# Altium PCB 电解模块主控板SC_V1.1_ZM_20211015.PcbDoc (part 1 of 4)
Units mm, origin at the board's own origin, x right, y up, seen from the top; angles counter-clockwise.
Board outline 150.25 x 100.26 mm, 2 copper layers (Top Layer, Bottom Layer); 223 components, 168 nets, 679 pads, 1966 vias.
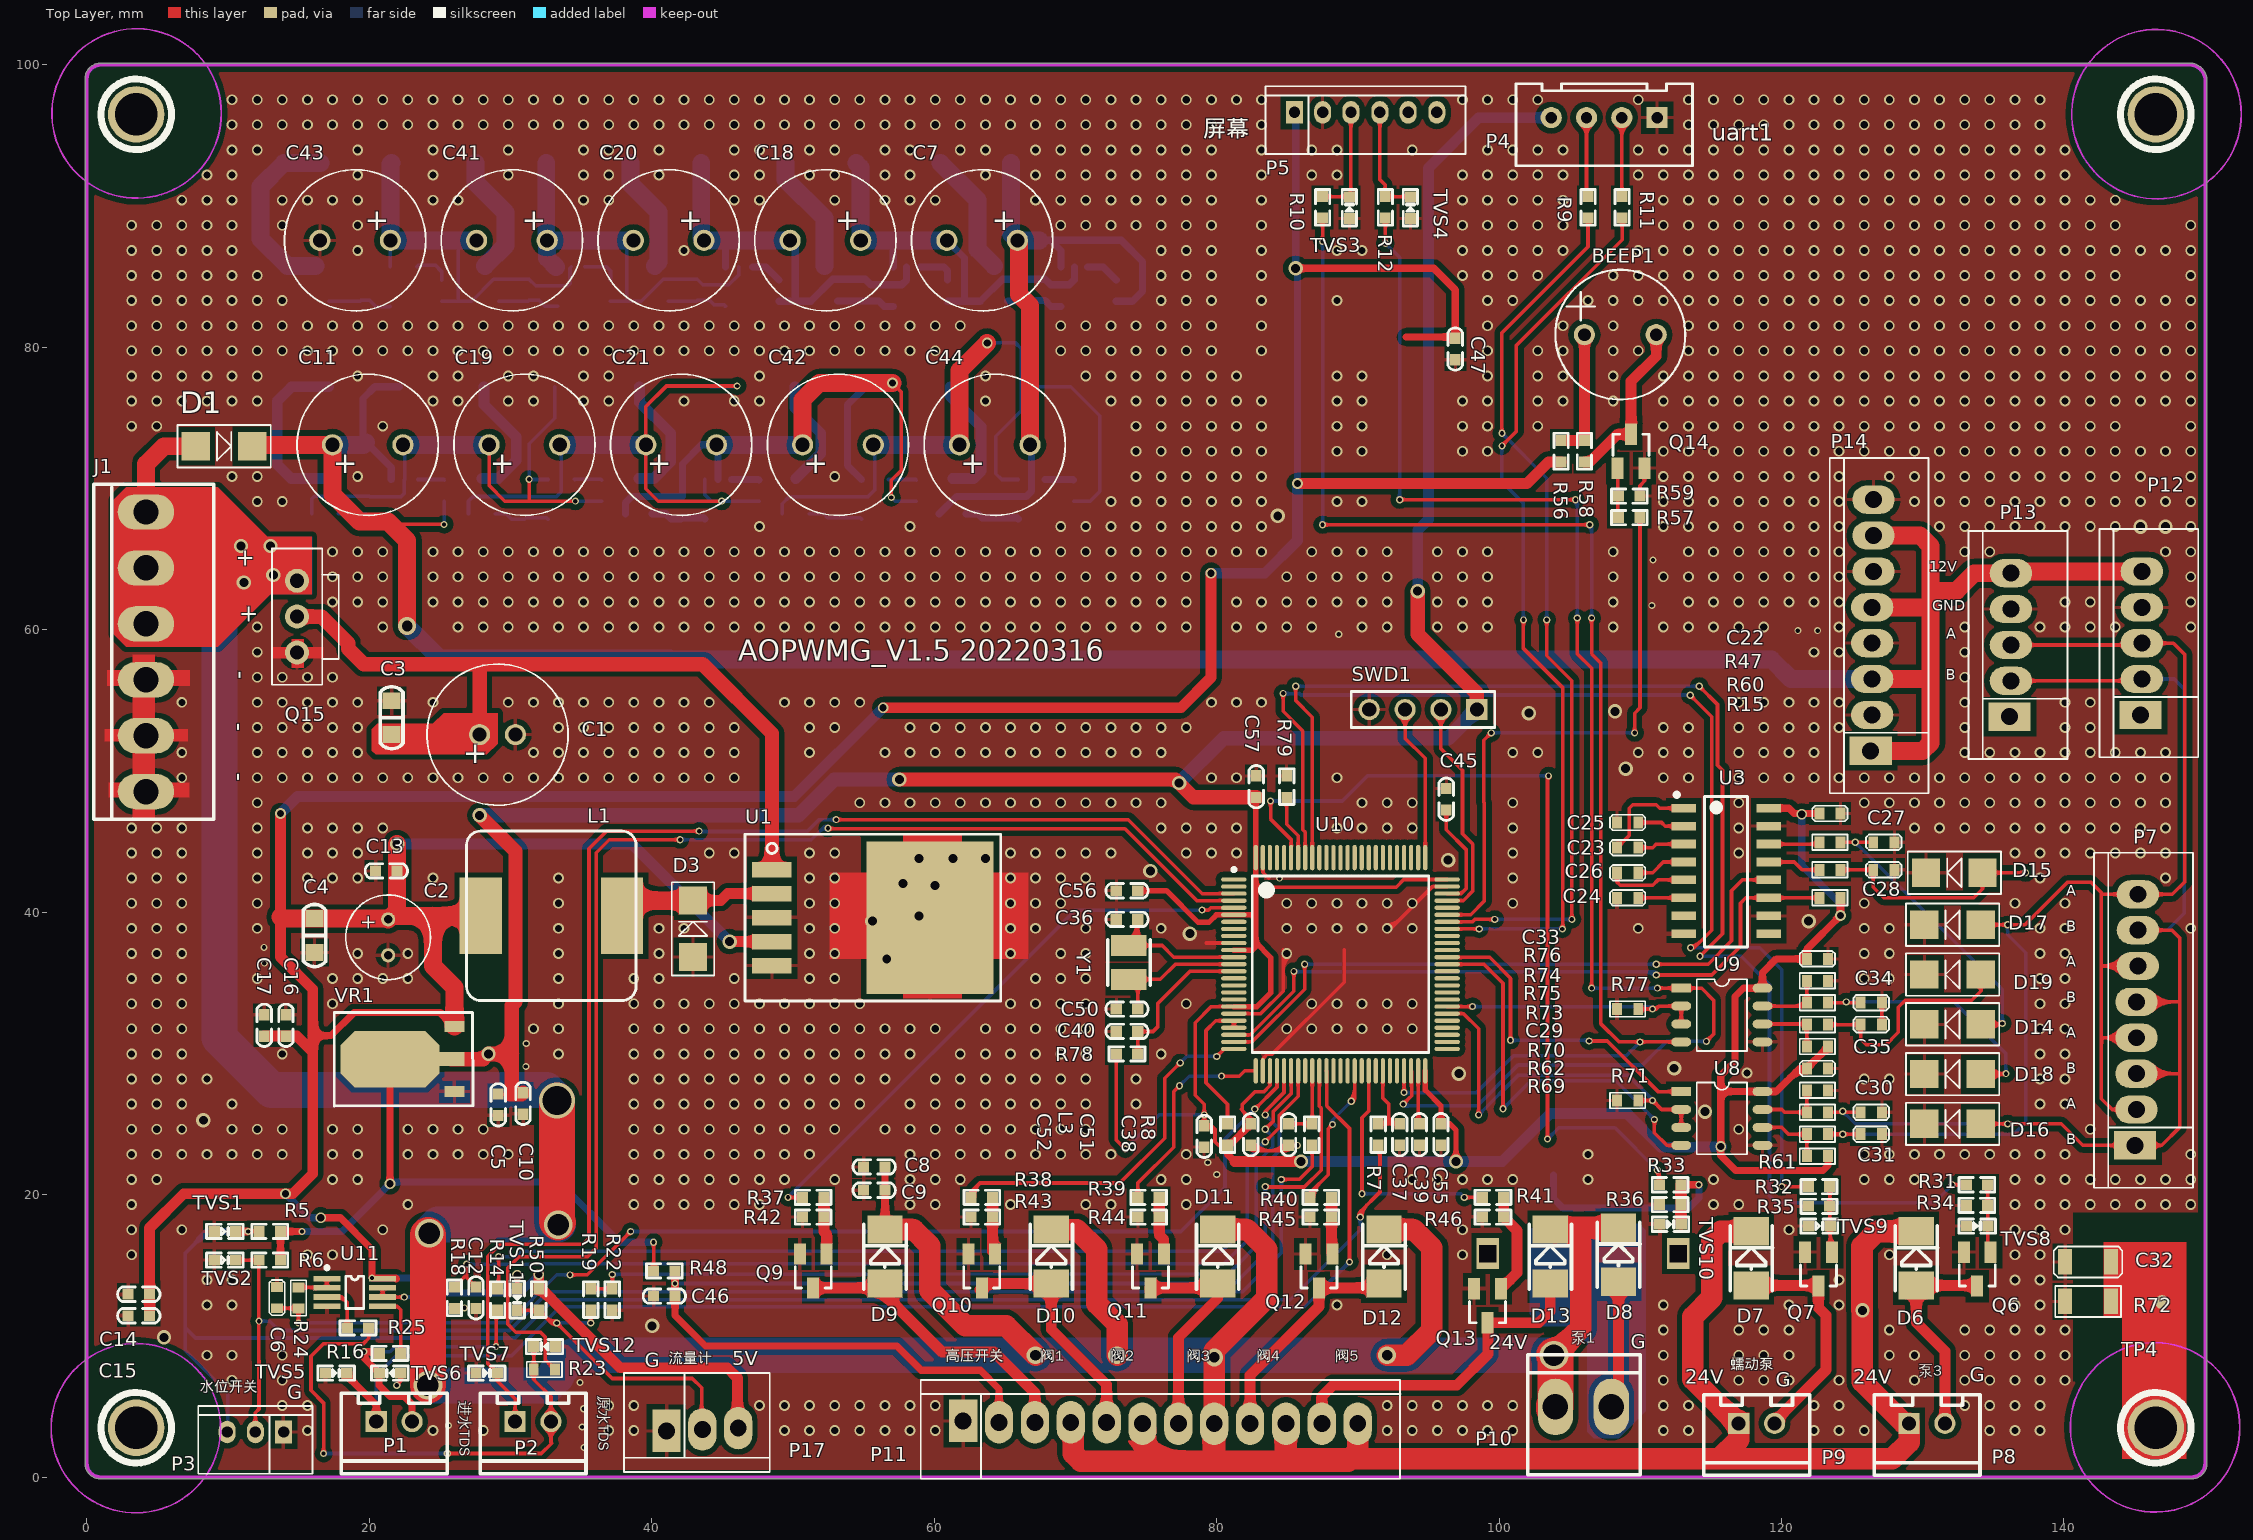
[diagram p0: Top Layer view]
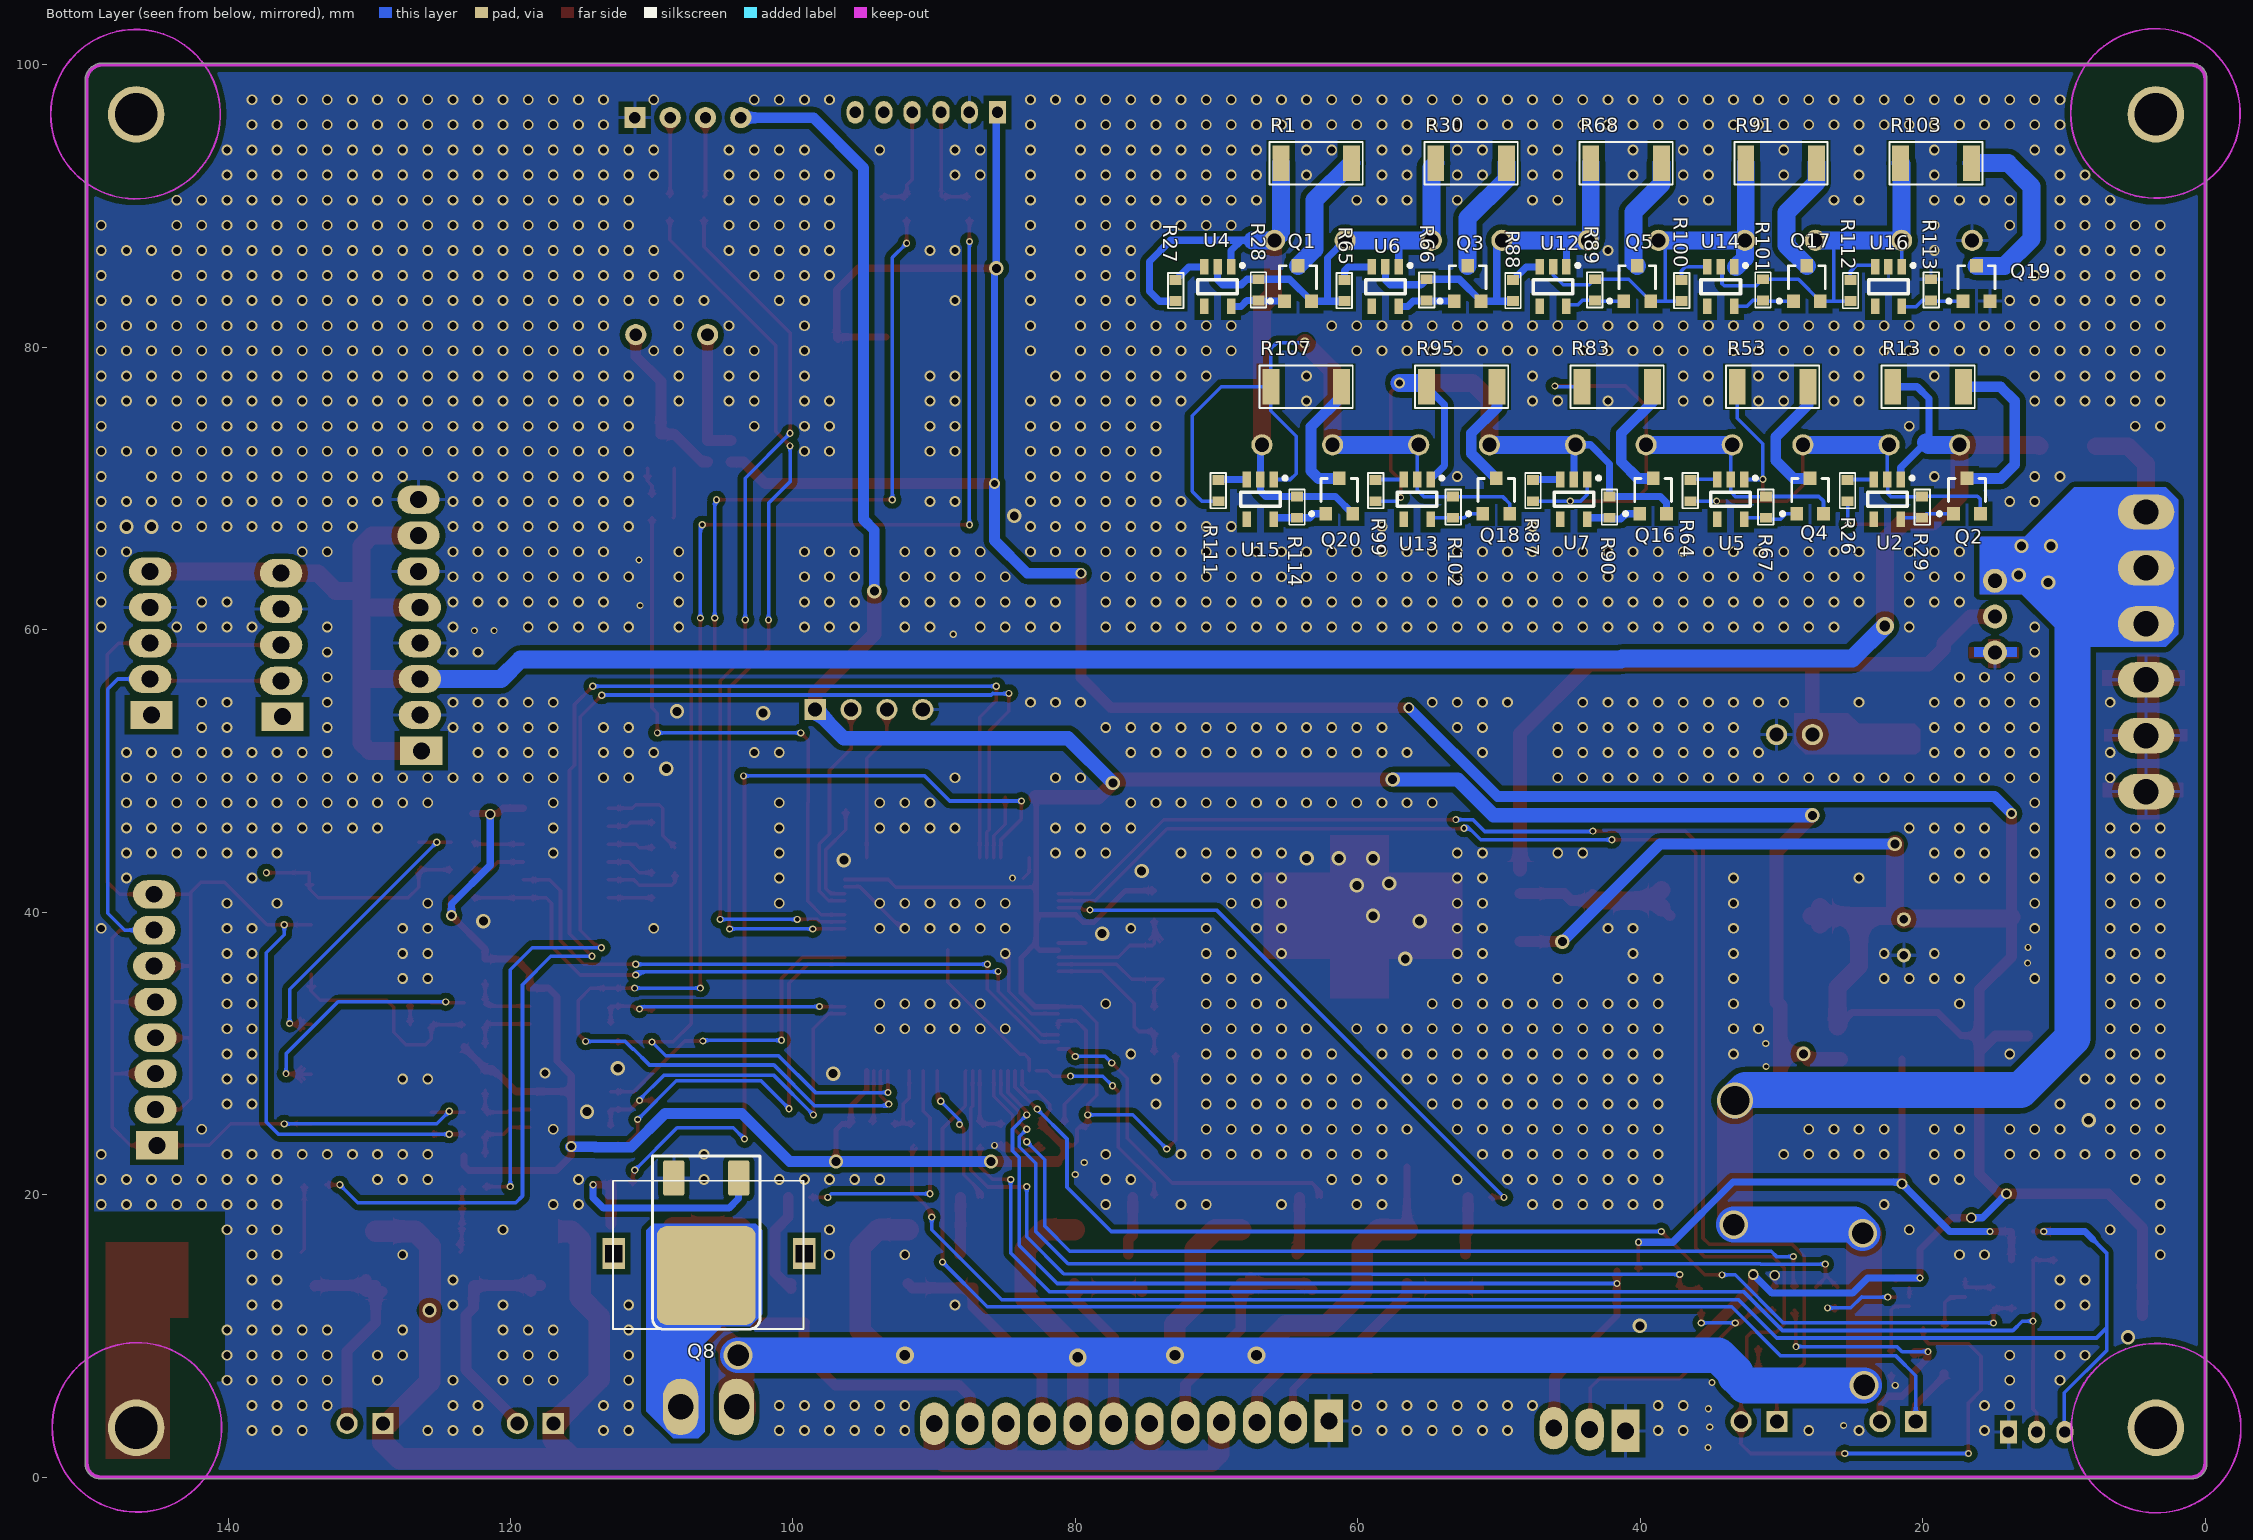
[diagram p1: Bottom Layer view, seen from below]
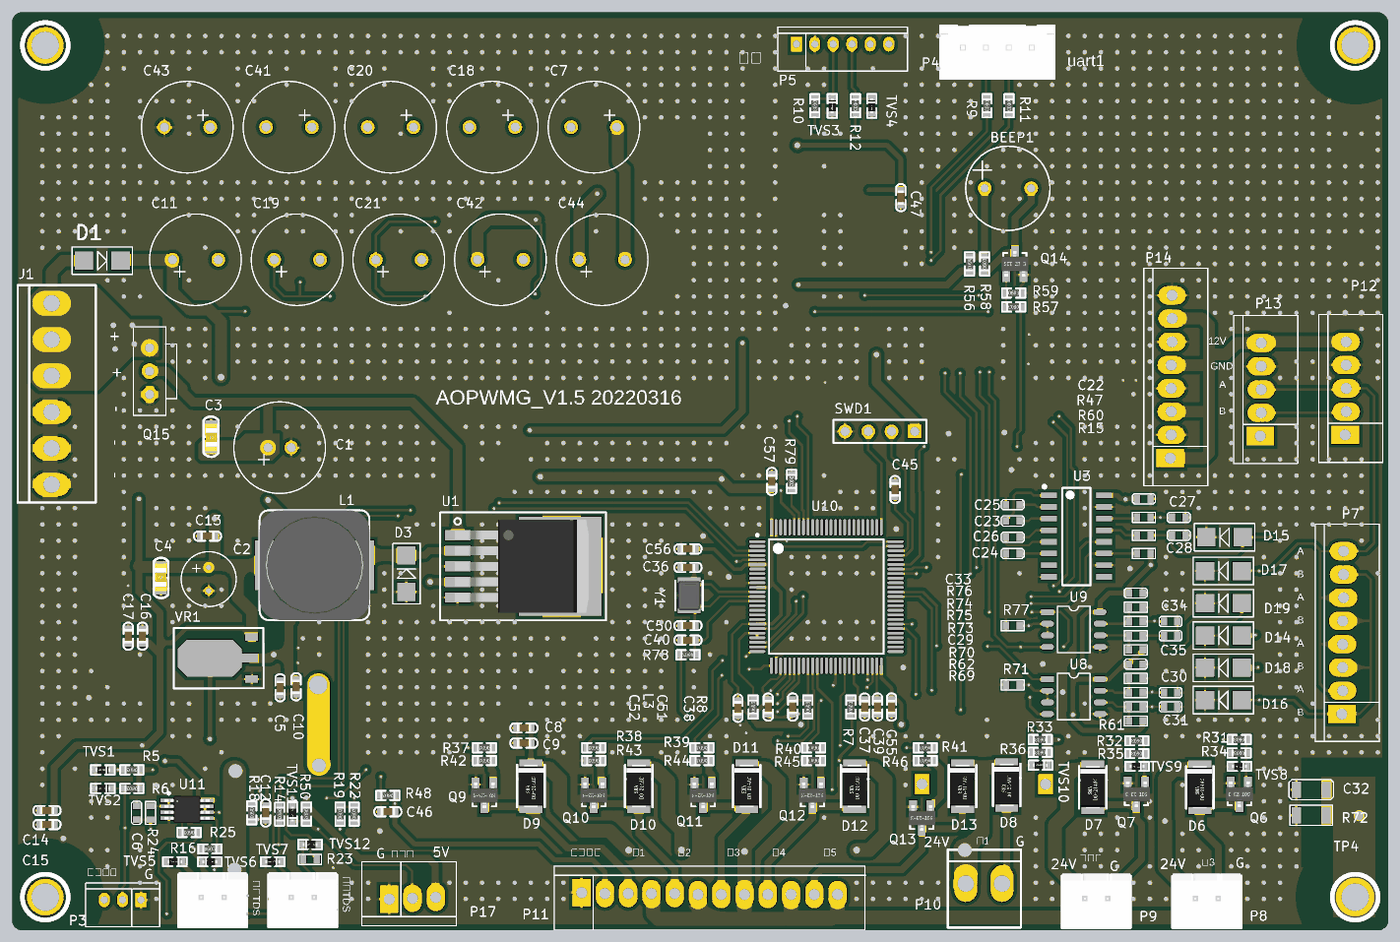
[diagram p5: 3D render of the assembled board from above, using the file's embedded part models]

## Layer stack, top to bottom
Top Layer: signal copper 0.0356
Dielectric: dielectric 0.32, FR-4, Dk 4.8
Bottom Layer: signal copper 0.0356

## Board outline
-0.127,1 ccw(c1,1) 1,-0.127 149,-0.127 ccw(c149,1) 150.127,1 150.127,99 ccw(c150,99) 150.126,99.016 ccw(c148.859,98.859) 148.709,100.127 1,100.127 ccw(c1,99) -0.127,99

## Design rules (kind name [scope] priority, off if disabled: settings)
Clearance Clearance_2 [InNet('NetC32_2')] p1: gap=0.508
Clearance Clearance_1 [InPolygon] p2: gap=0.381
Clearance [All] p3: gap=0.152
NetAntennae [All] p1: netantennaetolerance=5.08
PolygonConnect PolygonConnect_2 [InNet('NetC32_2')] p1: connectstyle=Direct reliefconductorwidth=0.254 reliefentries=4 polygonreliefangle="90 Angle"
PolygonConnect PolygonConnect_1 [isvia] p2: connectstyle=Direct reliefconductorwidth=0.254 reliefentries=4 polygonreliefangle="90 Angle"
PolygonConnect [All] p3: connectstyle=Relief reliefconductorwidth=0.254 reliefentries=4 polygonreliefangle="90 Angle"
RoutingVias [All] p1: holewidth=0.305 width=0.61 viastyle="Through Hole" minholewidth=0.203 minwidth=0.203 maxholewidth=5.08 maxwidth=5.08
SilkscreenOverComponentPads SilkToSolderMaskClearance [IsPad] p1: minsilkscreentomaskgap=0.051
SolderMaskExpansion [All] p1: expansion=0.102
Width [All] p1: maxlimit=9.144 minlimit=0.254 preferedwidth=0.254
26 further rules are at their usual default settings.

## Classes and differential pairs
component class 07_EL_CON: C7 C11 C18 C19 C20 C21 C41 C42 C43 C44 D1 Q1 Q2 Q3 Q4 Q5 Q16 Q17 Q18 Q19 Q20 R1 R13 R26 R27 R28 R29 R30 R53 R64 R65 R66 R67 R68 R83 R87 R88 R89 R90 R91 R95 R99 R100 R101 R102 R103 R107 R111 R112 R113 R114 U2 U4 U5 U6 U7 U12 U13 U14 U15 U16
component class 11_Speak: BEEP1 BP1 Q14 R56 R57 R58 R59
component class 08_Peripherals: C46 D6 D7 D8 D9 D10 D11 D12 D13 P8 P9 P10 P11 Q6 Q7 Q8 Q9 Q10 Q11 Q12 Q13 R31 R32 R33 R34 R35 R36 R37 R38 R39 R40 R41 R42 R43 R44 R45 R46 R48 TVS8 TVS9 TVS10
component class cpu: C36 C39 C40 C45 C50 C51 C52 C55 C56 C57 L3 R78 R79 SWD1 U10 Y1
component class 05_USART: P4 P5 R9 R10 R11 R12 TVS3 TVS4
component class com: C22 C23 C24 C25 C26 C27 C28 C29 C30 C31 C32 C33 C34 C35 D14 D15 D16 D17 D18 D19 P7 P12 P13 P14 R15 R47 R60 R61 R62 R69 R70 R71 R72 R73 R74 R75 R76 R77 TP4 U3 U8 U9
component class 04_Sensor: C6 C12 C37 C38 C47 P1 P2 P3 P17 R5 R6 R7 R8 R14 R16 R18 R19 R22 R23 R24 R25 R50 TVS1 TVS2 TVS5 TVS6 TVS7 TVS11 TVS12 U11
component class 02_Power: C1 C2 C3 C4 C5 C8 C9 C10 C13 C14 C15 C16 C17 D3 J1 L1 Q15 U1 VR1

## Components (designator, comment, footprint, x,y, rotation, side; value= is the part's Value field where it differs from the comment)
BEEP1 "BEEP-9.5X5.5" BEEP-9.5X5.5 108.585,80.899 r0 top
C1 "1000uF/35V" 10*16 29.083,52.578 r180 top
C2 "100uF/35V" 6*8 21.336,38.227 r90 top
C3 "104 50V" SMD-0805C 21.59,53.778 r270 top
C4 "104 50V" SMD-0805C 16.129,38.354 r90 top
C5 "10uF 25V" SMD-0603C 29.134,26.365 r90 top
C6 "NC" 0603C 13.462,13.462 r270 top
C7 "1000uF/35V" "10*16 -5" 63.398,87.579 r0 top
C8 "10uF25V" SMD-0603C 55.753,21.971 r0 top
C9 "104 50V" SMD-0603C 55.753,20.32 r0 top
C10 "104 50V" SMD-0603C 30.886,26.467 r90 top
C11 "1000uF/35V" "10*16 -5" 19.888,73.101 r180 top
C12 "NC" SMD-0603C 27.559,12.7 r90 top
C13 "104 50V" SMD-0603C 21.209,42.926 r0 top
C14 "10uF25V" SMD-0603C 3.683,12.954 r0 top
C15 "104 50V" SMD-0603C 3.683,11.43 r0 top
C16 "10uF25V" SMD-0603C 14.097,31.991 r270 top
C17 "104 50V" SMD-0603C 12.56,31.991 r270 top
C18 "1000uF/35V" "10*16 -5" 52.299,87.579 r0 top
C19 "1000uF/35V" "10*16 -5" 30.988,73.101 r180 top
C20 "1000uF/35V" "10*16 -5" 41.199,87.579 r0 top
C21 "1000uF/35V" "10*16 -5" 42.088,73.101 r180 top
C22 "104 50V" 0603C 122.682,46.99 r0 top
C23 "104 50V" 0603C 108.355,44.577 r0 top
C24 "104 50V" 0603C 109.855,41.021 r180 top
C25 "104 50V" 0603C 109.855,46.355 r180 top
C26 "104 50V" 0603C 108.355,42.799 r0 top
C27 "220PF/16V" 0603C 126.492,44.958 r0 top
C28 "220PF/16V" 0603C 126.492,43.011 r0 top
C29 "104 50V" 0603C 121.793,28.942 r0 top
C30 "220PF/16V" 0603C 125.603,25.837 r0 top
C31 "220PF/16V" 0603C 125.603,24.285 r0 top
C32 "1NF/2KV" 1206C 140.081,15.24 r0 top
C33 "104 50V" 0603C 121.793,36.703 r0 top
C34 "220PF/16V" 0603C 125.603,33.599 r0 top
C35 "220PF/16V" 0603C 125.603,32.046 r0 top
C36 "12P/50V" SMD-0603C 73.66,39.497 r180 top
C37 "104 50V" SMD-0603C 92.964,24.257 r90 top
C38 "104 50V" SMD-0603C 85.09,24.257 r90 top
C39 "4.7uF/10V/NC" SMD-0603C 94.361,24.257 r90 top
C40 "1uF/10V" SMD-0603C 73.66,31.559 r0 top
C41 "1000uF/35V" "10*16 -5" 30.099,87.579 r0 top
C42 "1000uF/35V" "10*16 -5" 53.188,73.101 r180 top
C43 "1000uF/35V" "10*16 -5" 18.999,87.579 r0 top
C44 "1000uF/35V" "10*16 -5" 64.287,73.101 r180 top
C45 "4.7uF/10V/NC" SMD-0603C 96.266,48.006 r270 top
C46 "104 50V" SMD-0603C 40.894,12.827 r0 top
C47 "10uF 10V" SMD-0603C 96.901,79.883 r90 top
C50 "12P/50V" SMD-0603C 73.66,33.147 r180 top
C51 "104 50V" SMD-0603C 82.423,24.257 r90 top
C52 "104 50V" SMD-0603C 79.121,24.13 r90 top
C55 "104 50V" SMD-0603C 95.885,24.257 r90 top
C56 "104 50V" SMD-0603C 73.66,41.529 r0 top
C57 "104 50V" SMD-0603C 82.804,48.895 r270 top
D1 "SS34" SMA 7.722,73 r0 top
D3 "SS34" SMA 42.926,36.83 r90 top
D6 "1N4007" DO-214-AC 129.54,15.494 r90 top
D7 "1N4007" DO-214-AC 117.856,15.494 r90 top
D8 "1N4007" DO-214-AC 108.458,15.748 r90 top
D9 "1N4007" DO-214-AC 56.515,15.621 r90 top
D10 "1N4007" DO-214-AC 68.294,15.621 r90 top
D11 "1N4007" DO-214-AC 80.073,15.621 r90 top
D12 "1N4007" DO-214-AC 91.853,15.621 r90 top
D13 "1N4007" DO-214-AC 103.632,15.621 r90 top
D14 "SMAJ18CA" SMA 134.112,32.067 r180 top
D15 "SMAJ18CA" SMA 134.239,42.799 r180 top
D16 "SMAJ6.5CA" SMA 134.112,25.019 r180 top
D17 "SMAJ6.5CA" SMA 134.112,39.116 r180 top
D18 "SMAJ6.5CA" SMA 134.112,28.543 r180 top
D19 "SMAJ6.5CA" SMA 134.112,35.592 r180 top
J1 "HEADER_6" VH-AW-3.96*6P 4.191,54.483 r90 top
L1 "CDRH127-33uH" CDRH-127 32.893,39.751 r180 top
L3 "MPZ1608D101BTA00" SMD-0603 80.772,24.257 r90 top
P1 "XH2.54 2P" SIP-2A 21.768,3.937 r0 top
P2 "XH2.54 2P" SIP-2A 31.598,3.937 r0 top
P3 "1*3P" 3X2MMZ 13.938,3.2 r180 top
P4 "1*4P" XH2.54-4A 107.442,96.266 r180 top
P5 "Header 6" 6X2MMZ 85.511,96.641 r0 top
P7 "Header 8" 8X2.54MMZ 145.034,23.495 r90 top
P8 "SIP-2" SIP-2A 130.302,3.81 r0 top
P9 "SIP-2" SIP-2A 118.237,3.81 r0 top
P10 "SIP-2" VH-AW-3.96*2P 109.93,4.978 r0 top
P11 "Header 12" 12X2.54MMZ 62.052,3.988 r0 top
P12 "Header 5" 5X2.54MMZ 145.415,53.975 r90 top
P13 "Header 5" 5X2.54MMZ 136.144,53.848 r90 top
P14 "Header 8" 8X2.54MMZ 126.316,51.435 r90 top
P17 "1*3P" 3X2.54MMZ2 41.046,3.277 r0 top
Q1 "AO3400" SOT-23#1 64.237,84.525 r180 bottom
Q2 "AO3400" SOT-23#1 16.866,69.469 r180 bottom
Q3 "AO3400" SOT-23#1 52.226,84.525 r180 bottom
Q4 "AO3400" SOT-23#1 27.978,69.469 r180 bottom
Q5 "AO3400" SOT-23#1 40.216,84.525 r180 bottom
Q6 "AO3400" SOT-23#2 133.858,14.732 r180 top
Q7 "AO3400" SOT-23#2 122.618,14.732 r180 top
Q8 "AOD538" TO252 106.135,14.284 r0 bottom
Q9 "AO3400" SOT-23#2 51.435,14.605 r180 top
Q10 "AO3400" SOT-23#2 63.373,14.605 r180 top
Q11 "AO3400" SOT-23#2 75.311,14.605 r180 top
Q12 "AO3400" SOT-23#2 87.249,14.605 r180 top
Q13 "AO3400" SOT-23#2 99.187,12.141 r180 top
Q14 "LH8050QLT1G" SOT-23#2 109.347,72.644 r0 top
Q15 "AOTF4185" TO220 14.884,58.395 r90 top
Q16 "AO3400" SOT-23#1 39.091,69.469 r180 bottom
Q17 "AO3400" SOT-23#1 28.205,84.525 r180 bottom
Q18 "AO3400" SOT-23#1 50.203,69.469 r180 bottom
Q19 "AO3400" SOT-23#1 16.195,84.525 r180 bottom
Q20 "AO3400" SOT-23#1 61.316,69.469 r180 bottom